# Altium PCB DM3390.PcbDoc (part 2 of 5) (continued)
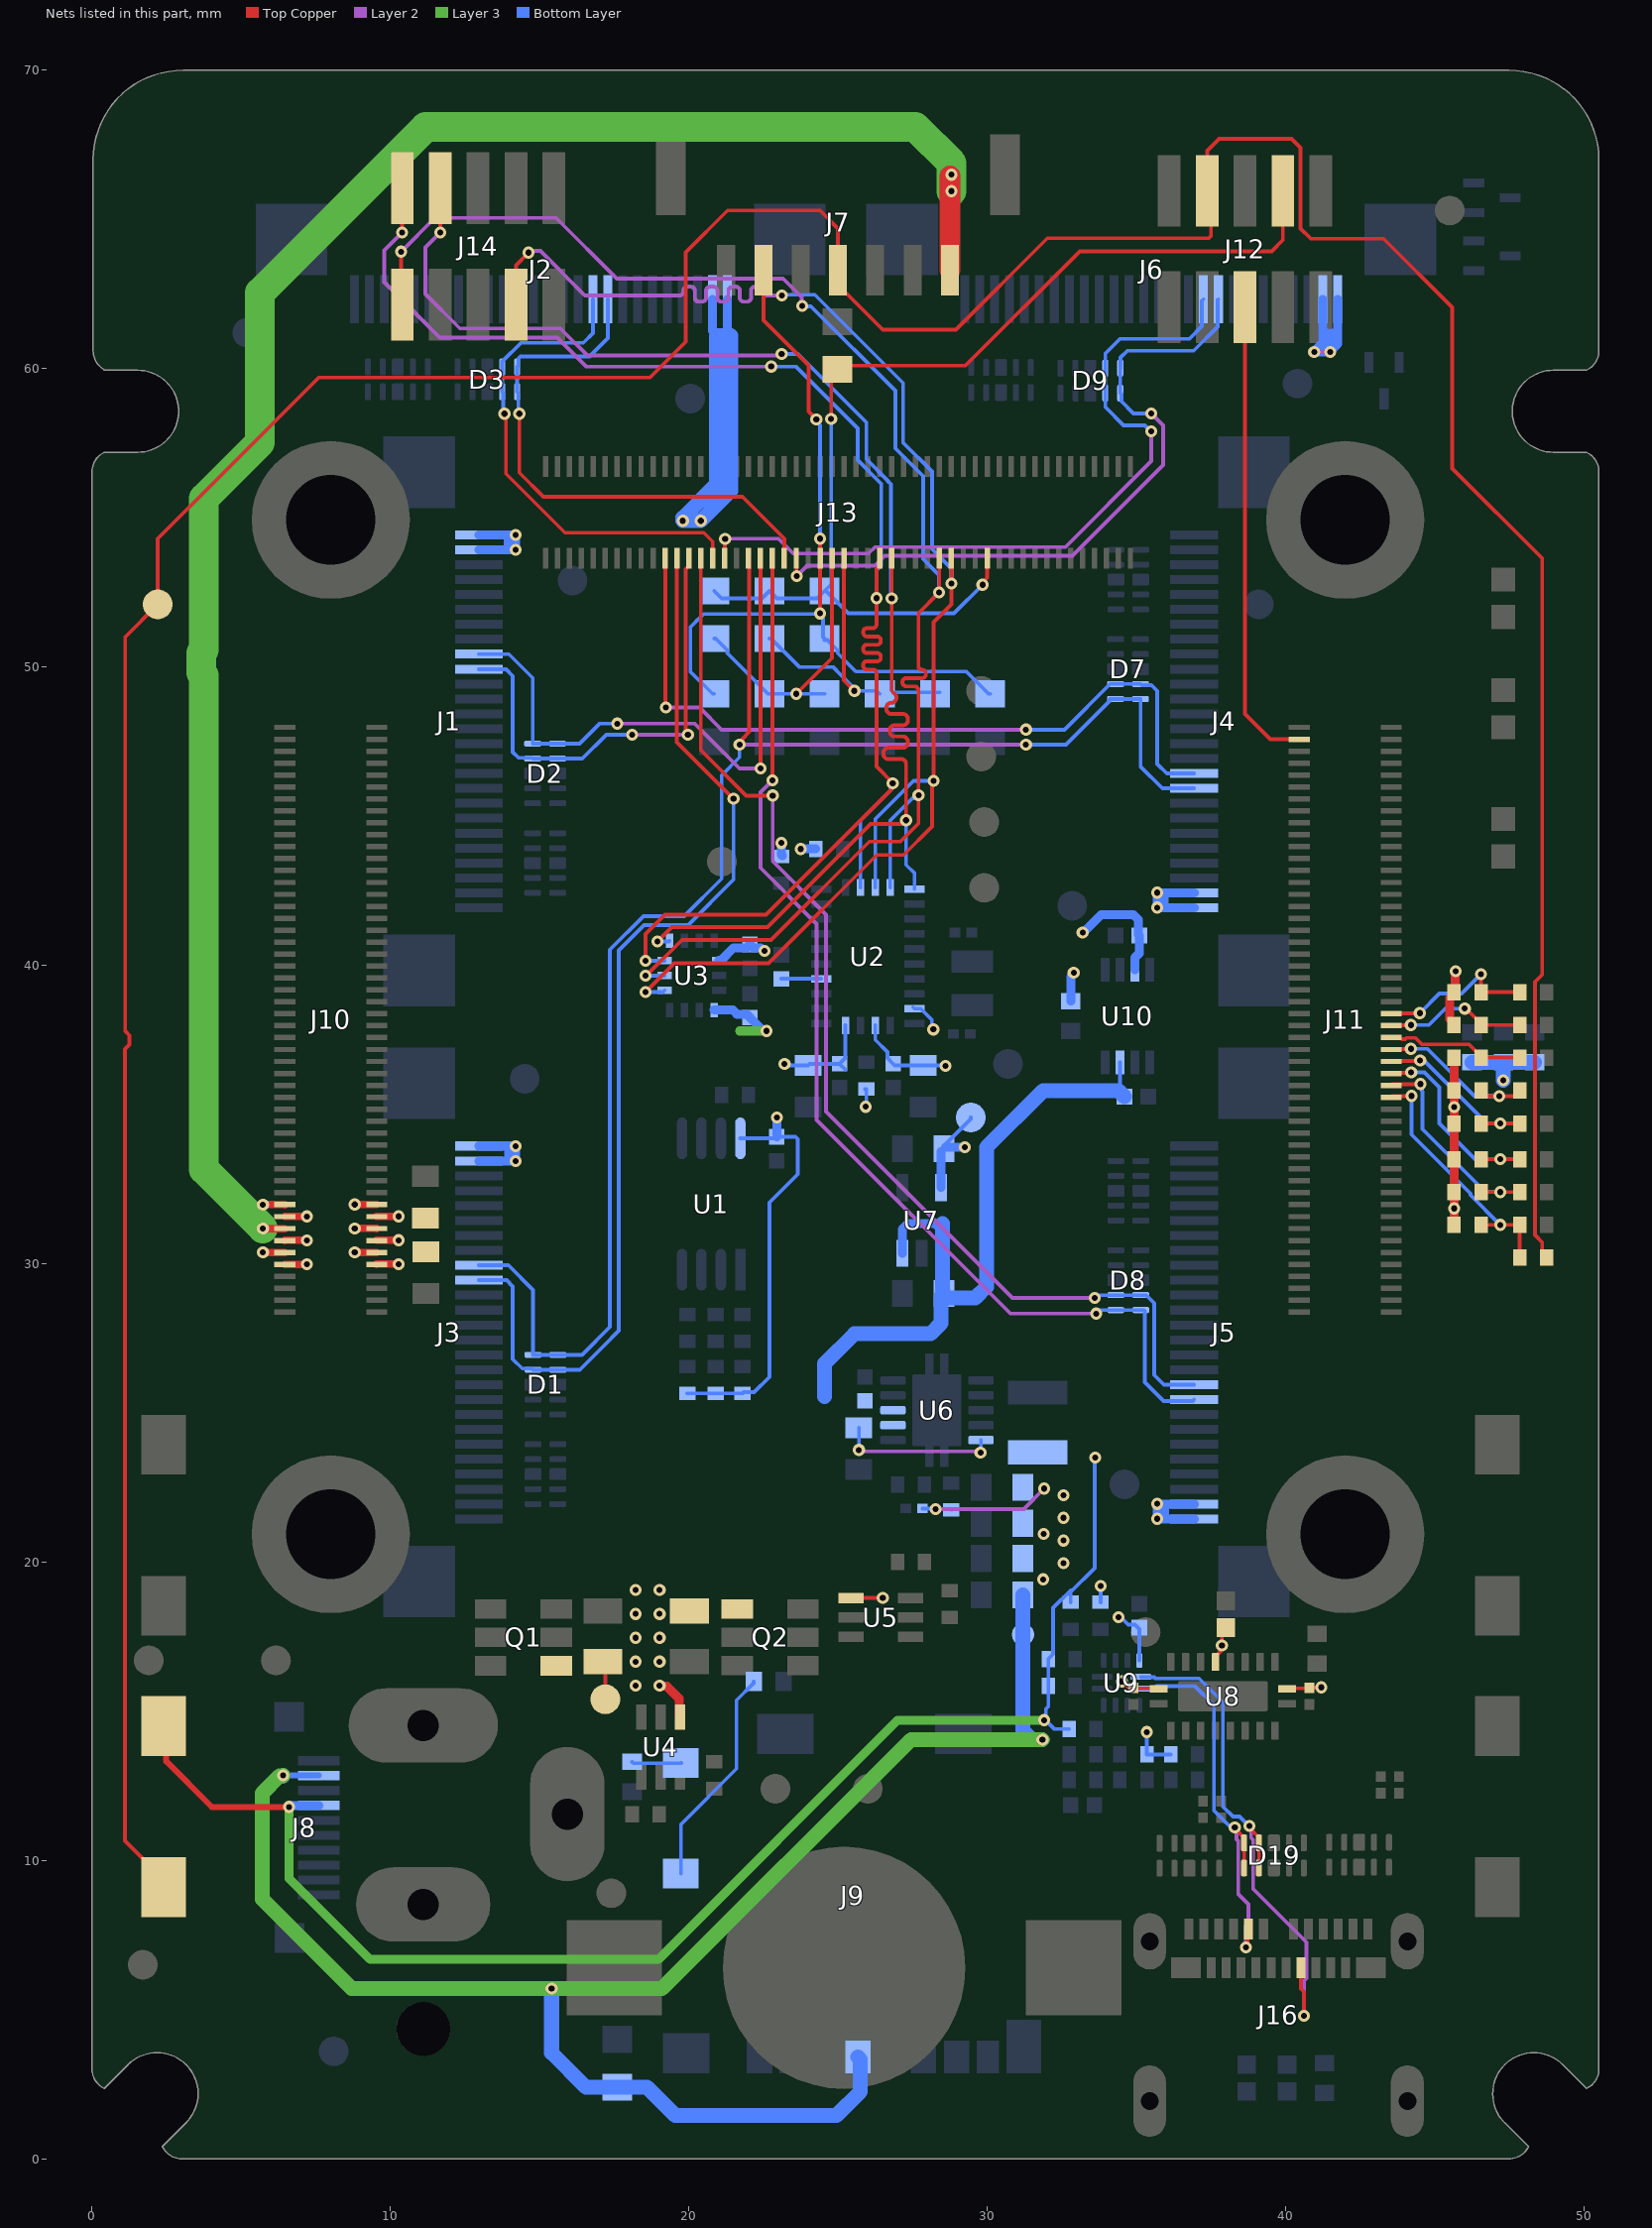
[diagram p6: the nets of this part, all layers, seen from the top]
## Part data (continued)
U9: library part TUSB321RWBR, "IC USB PORT CONTROL TYPE-C 12X2Q", Manufacturer 1="Texas Instruments", Max Operating Temperature=70°C, Max Supply Voltage=5.5V, Min Operating Temperature=0°C, Min Supply Voltage=4.5V, Supplier Part Number 1=296-42400-1-ND, ComponentLink1Description=http://www.ti.com/general/docs/lit/getliterature.tsp?genericPartNumber=TUSB321&&fileType=pdf&src-supplier=Avnet+Asia, ComponentLink1URL=http://www.ti.com/general/docs/lit/getliterature.tsp?genericPartNumber=TUSB321&&fileType=pdf&src-supplier=Avnet+Asia, ComponentLink2Description=http://www.ti.com/general/docs/lit/getliterature.tsp?genericPartNumber=TUSB321&&fileType=pdf&src-supplier=Farnell, ComponentLink2URL=http://www.ti.com/general/docs/lit/getliterature.tsp?genericPartNumber=TUSB321&&fileType=pdf&src-supplier=Farnell, ComponentLink3Description=http://www.ti.com/lit/ds/symlink/tusb321.pdf?src-supplier=Digi-Key, ComponentLink3URL=http://www.ti.com/lit/ds/symlink/tusb321.pdf?src-supplier=Digi-Key, ComponentLink4Description=http://www.ti.com/general/docs/lit/getliterature.tsp?genericPartNumber=TUSB321&&fileType=pdf&src-supplier=Element14, ComponentLink4URL=http://www.ti.com/general/docs/lit/getliterature.tsp?genericPartNumber=TUSB321&&fileType=pdf&src-supplier=Element14, ComponentLink5Description=http://www.ti.com/general/docs/lit/getliterature.tsp?genericPartNumber=TUSB321&&fileType=pdf&src-supplier=Avnet, ComponentLink5URL=http://www.ti.com/general/docs/lit/getliterature.tsp?genericPartNumber=TUSB321&&fileType=pdf&src-supplier=Avnet, Contact Plating=Gold, Lead Free="Lead Free", Manufacturer Part Number 1=TUSB321RWBR, Mount="Surface Mount", Number of Pins=12, Number of Ports=1, Packaging="Tape and Reel", Pricing 1="1=2.27000, 10=2.04200, 100=1.64100, 500=1.34828, 1000=1.11714 (USD)", REACH SVHC="No SVHC", RoHS=Yes, Stock 1=7746, Supplier 1=Digi-Key, USB Standard="USB 3.1"
U10: library part TXS0102DCUR, "TEXAS INSTRUMENTS - TXS0102DCUR - IC, TRANSLATOR, 2 BIT, BI, US-8", Case/Package=VSSOP, High Level Output Current=-20uA, Low Level Output Current=1mA, Manufacturer 1="Texas Instruments", Max Operating Temperature=85°C, Max Supply Voltage=5.5V, Min Operating Temperature=-40°C, Min Supply Voltage=1.65V, Nominal Supply Current=14.4uA, Output Current=1A, Package Quantity=1, Supplier Part Number 1=296-21931-1-ND, Category="Logic Gates", ComponentLink1Description=https://datasheet.ciiva.com/15096/getdatasheetpartid-118249-15096172.pdf?src-supplier=Verical, ComponentLink1URL=https://datasheet.ciiva.com/15096/getdatasheetpartid-118249-15096172.pdf?src-supplier=Verical, ComponentLink2Description=https://datasheet.ciiva.com/22653/1846850-22653373.pdf?src-supplier=Farnell, ComponentLink2URL=https://datasheet.ciiva.com/22653/1846850-22653373.pdf?src-supplier=Farnell, ComponentLink3Description=https://datasheet.ciiva.com/1508/1857232-1508821.pdf?src-supplier=Element14, ComponentLink3URL=https://datasheet.ciiva.com/1508/1857232-1508821.pdf?src-supplier=Element14, ComponentLink4Description=https://datasheet.ciiva.com/1899/txs0102-1899368.pdf?src-supplier=Digi-Key, ComponentLink4URL=https://datasheet.ciiva.com/1899/txs0102-1899368.pdf?src-supplier=Digi-Key, ComponentLink5Description=https://datasheet.ciiva.com/1899/txs0102-1899369.pdf?src-supplier=Digi-Key, ComponentLink5URL=https://datasheet.ciiva.com/1899/txs0102-1899369.pdf?src-supplier=Digi-Key, ComponentLink6Description=https://datasheet.ciiva.com/1899/txs0102-1899370.pdf?src-supplier=Digi-Key, ComponentLink6URL=https://datasheet.ciiva.com/1899/txs0102-1899370.pdf?src-supplier=Digi-Key, ComponentLink7Description=https://datasheet.ciiva.com/14287/txs0102-14287516.pdf?src-supplier=Avnet, ComponentLink7URL=https://datasheet.ciiva.com/14287/txs0102-14287516.pdf?src-supplier=Avnet, ComponentLink8Description=https://datasheet.ciiva.com/28499/1863639-28499676.pdf?src-supplier=Element14, ComponentLink8URL=https://datasheet.ciiva.com/28499/1863639-28499676.pdf?src-supplier=Element14, ComponentLink9Description=https://datasheet.ciiva.com/14287/txs0102-14287518.pdf?src-supplier=Avnet, ComponentLink9URL=https://datasheet.ciiva.com/14287/txs0102-14287518.pdf?src-supplier=Avnet, ComponentLink10Description=https://datasheet.ciiva.com/46395/1863639-46395871.pdf?src-supplier=Element14, ComponentLink10URL=https://datasheet.ciiva.com/46395/1863639-46395871.pdf?src-supplier=Element14, Data Rate=24Mbps, Lead Free="Lead Free", Logic Function=Translator, Manufacturer Part Number 1=TXS0102DCUR, Number of Bits=2, Number of Channels=2, Number of Inputs=2, Number of Pins=8, Output Type=Voltage, Packaging="Tape and Reel", Pricing 1="1=0.75000, 10=0.65900, 25=0.61960, 100=0.50550, 250=0.46956, 500=0.39964, 1000=0.31971 (USD)", Propagation Delay=4.6ns, Quiescent Current=14.4uA, Radiation Hardening=No, REACH SVHC="No SVHC", RoHS=Yes, Stock 1=55123, Supplier 1=Digi-Key, Supplier 2=Newark, Supplier 3=Mouser, Supplier Part Number 2=30M1878, Supplier Part Number 3=595-TXS0102DCUR, Turn-On Delay Time=260ns, Weight=0.000339oz
Y1: "CRYSTAL 32.768kHz ±20ppm Crystal 12.5pF 90 kOhms 2-SMD, No Lead", Case/Package=SMD/SMT, ESR (Equivalent Series Resistance)=90kR, Frequency=32.768kHz, Frequency Tolerance=20ppm, Load Capacitance=12.5pF, Manufacturer 1=Abracon, Max Operating Temperature=85°C, Min Operating Temperature=-40°C, Supplier Part Number 1=535-14513-1-ND, ComponentLink1Description=http://www.farnell.com/datasheets/2614114.pdf?src-supplier=Farnell, ComponentLink1URL=http://www.farnell.com/datasheets/2614114.pdf?src-supplier=Farnell, ComponentLink2Description=https://abracon.com/datasheets/ABS06-127-32.768kHz-T.pdf?src-supplier=Digi-Key, ComponentLink2URL=https://abracon.com/datasheets/ABS06-127-32.768kHz-T.pdf?src-supplier=Digi-Key, ComponentLink3Description=http://www.farnell.com/datasheets/2614114.pdf?src-supplier=Newark, ComponentLink3URL=http://www.farnell.com/datasheets/2614114.pdf?src-supplier=Newark, Manufacturer Part Number 1=ABS06-127-32.768KHZ-T, Mount="Surface Mount", Packaging="Tape and Reel", Pricing 1="1=0.69000, 10=0.60700, 50=0.56760, 100=0.50160, 500=0.47520, 1000=0.39600 (USD)", RoHS=Yes, Stock 1=1640, Supplier 1=Digi-Key, Supplier 2=Digi-Key, Supplier 3=Mouser, Supplier 4=Verical, Supplier Part Number 2=535-14513-6-ND, Supplier Part Number 3=815-ABS0612732.768KT, Supplier Part Number 4=ABS06-127-32.768KHZ-T

## Via types
v1: diameter 0.406, hole 0.203, Top Copper to Bottom Layer, tented both sides, 794 vias
v2: diameter 0.406, hole 0.203, Top Copper to Bottom Layer, 30 vias

## Nets (pads, with @x,y where several pads share a name; then routed paths per layer and width w, separated by ;. In a path a pad name is that pad's centre, name@x,y a point inside that pad or via, vN(x,y) a via of type N, cw(c..) or ccw(c..) an arc to the next point about the centre after c; other vN are vias at no path point)
1V8: B1.1 C2.2 C5.2 C6.2 C11.2 C23.2 C35.2 J8.7 R7.2 R8.2 R9.2 R10.2 R11.2 R12.2 R13.2 R14.2 R27.2 R28.2 R29.2 R34.2 R35.1 R36.1 R49.2 R50.2 R51.2 R52.2 R53.2 TP16.1 U1.8 U2.5 U2.28 U3.5 U7.5 U10.3 | length 87.9
  Top Copper w0.2: B1.1@2.4,14.5 2.483,14.417 2.483,13.317 4.009,11.791 v1(6.6,11.791)
  Top Copper w0.3: R7.2@45.65,31.3 v1(45.65,31.85) R8.2@45.65,32.4 R9.2@45.65,33.5 R10.2@45.65,34.7 R11.2@45.65,35.8 R12.2@45.65,36.9 ; R13.2@45.65,38 45.65,38.05 45.5,38.2 45.5,38.9 45.65,39.05 R14.2@45.65,39.1 45.68,39.13 45.68,39.78 v1(45.7,39.8)
  Layer 3 w0.3: v1(6.6,11.791) 6.6,9.4 9.319,6.681 18.981,6.681 26.999,14.699 v1(31.911,14.699)
  Bottom Layer w0.127: R29.2@19.95,25.65 R28.2@20.9,25.65 R27.2@21.8,25.65 21.841,25.691 22.191,25.691 22.7,26.2 22.7,32.05 23.65,33 23.65,34.176 23.576,34.25 C2.2@22.95,34.25 22.9,34.2 U1.8@21.725,34.2 ; v1(23.207,36.696) 23.253,36.65 C5.2@24,36.65 24.05,36.7 C6.2@25.05,36.7 ; C6.2@25.246,36.503 C6.2@25.05,36.7 ; U2.5@25.25,37.987 25.25,36.9 C6.2@25.05,36.7 ; R34.2@25.9,35.85 R34.2@25.95,35.85 25.95,35.28 v1(25.931,35.261) ; U2.28@27.512,38.6 U2.28@27.562,38.55 27.775,38.55 28.143,38.182 28.143,37.906 v1(28.196,37.853) ; C23.2@28.55,33.85 28.55,33.95 29.45,34.85 TP16.1@29.45,34.9 ; R50.2@32.75,14.4 32.259,14.4 31.96,14.699 v1(31.911,14.699) 31.965,14.752 31.965,15.071 32.05,15.156 R51.2@32.05,15.85 R52.2@32.05,16.75 32.211,16.911 32.211,18.461 32.8,19.05 32.8,19 ; R49.2@32.8,18.65 32.8,19 ; v1(33.618,23.5) 33.6,23.5 33.6,19.8 32.8,19
  Bottom Layer w0.3: v1(6.6,11.791) 6.629,11.791 6.676,11.839 7.592,11.839 J8.7@7.594,11.841 ; U3.5@21.012,40.162 21.075,40.162 21.502,40.59 21.94,40.59 C11.2@22.05,40.7 22.16,40.59 22.398,40.59 22.506,40.482 v1(22.535,40.482) ; C2.2@22.95,34.25 v1(22.95,34.9) ; v1(23.1,44.1) 23.1,43.7 R35.1@23.13,43.67 ; v1(23.75,43.9) R36.1@24.25,43.9 ; U7.5@28.45,32.55 C23.2@28.45,33.75 ; C23.2@28.6,33.9 v1(29.25,33.9) ; R53.2@32.8,38.8 32.8,39.621 32.9,39.721 v1(32.9,39.75) ; v1(33.2,41.1) 33.229,41.1 33.829,41.7 34.892,41.7 35.068,41.524 35.068,41.032 C35.2@35.1,41 35.1,40.406 34.95,40.256 U10.3@34.95,39.85
  other v1: 45.65,35.25
3V3: C1.2 C3.2 C4.2 C10.2 C17.1 C18.1 C19.1 C20.1 C21.2 C30.2 C31.2 C32.2 J1.25 J1.26 J2.25 J2.26 J3.25 J3.26 J4.25 J4.26 J5.25 J5.26 J6.25 J6.26 J8.9 J9.4 L1.2 R38.2 R42.2 TP15.1 U2.3 U3.8 U8.1 U8.6 U8.10 | length 109.9
  Top Copper w0.127: v1(34.51,15.997) 34.726,15.78 C32.2@34.9,15.78 34.915,15.765 35.735,15.765 U8.10@35.75,15.75 ; U8.6@37.65,16.65 37.65,16.825 37.814,16.989 37.814,17.146 v1(37.867,17.199) 37.867,17.667 C30.2@38,17.8 ; U8.1@40.05,15.75 40.065,15.765 40.785,15.765 40.81,15.79 41.19,15.79 v1(41.2,15.8)
  Layer 2 w0.127: v2(28.273,21.774) 31.223,21.774 v2(31.909,22.46) ; v1(40.96,60.555) v1(41.5,60.555)
  Layer 3 w0.3: 21.7,37.8 v1(22.6,37.8)
  Layer 3 w0.5: v1(6.4,12.85) 6.383,12.833 6.28,12.833 5.7,12.253 5.7,8.7 8.7,5.7 v1(15.4,5.7) 19.1,5.7 27.45,14.05 v1(31.85,14.05)
  Bottom Layer w0.127: U2.3@26.25,37.987 26.25,37.5 26.653,37.096 26.653,36.896 C4.2@26.85,36.7 26.9,36.65 C3.2@27.85,36.65 28.581,36.65 v1(28.606,36.625) ; C21.2@27.83,21.8 27.843,21.787 28.26,21.787 v2(28.273,21.774) 28.776,21.774 R38.2@28.8,21.75 ; R42.2@33.8,18.65 v1(33.8,19.2)
  Bottom Layer w0.2: v1@6.408,12.841 J8.9@7.594,12.841
  Bottom Layer w0.3: J3.25@12.96,33.445 13.962,33.445 ; J3.26@12.96,33.945 13.961,33.945 ; J1.25@12.96,53.93 13.951,53.93 ; J1.26@12.96,54.43 13.972,54.43 ; J2.25@20.787,62.325 20.787,61.269 20.956,61.1 ; U3.8@20.85,38.5 21.475,38.5 21.615,38.36 21.94,38.36 C10.2@22.05,38.25 22.48,37.82 22.58,37.82 v1(22.6,37.8) ; J2.26@21.287,62.325 21.287,61.213 21.4,61.1 ; J5.26@36.936,21.445 35.939,21.445 ; J5.25@36.936,21.945 35.942,21.945 ; J4.26@36.936,41.93 35.925,41.93 ; J4.25@36.936,42.43 35.937,42.43 ; J6.25@41.25,62.325 41.25,61.187 ; J6.26@41.75,62.325 41.75,61.195 ; 13.951,53.93 14.191,53.93 v1(14.197,53.925) v1(14.197,54.425) 14.191,54.43 13.972,54.43 ; 13.951,53.93 13.951,54.409 13.972,54.43 ; 13.961,33.945 14.191,33.945 v1(14.197,33.94) v1(14.197,33.44) 14.191,33.445 13.962,33.445 ; 13.961,33.945 13.961,33.446 13.962,33.445 ; 35.925,41.93 35.705,41.93 v1(35.7,41.935) v1(35.7,42.435) 35.705,42.43 35.937,42.43 ; 35.925,41.93 35.937,41.941 35.937,42.43 ; 35.939,21.445 35.705,21.445 v1(35.7,21.45) v1(35.7,21.95) 35.705,21.945 35.942,21.945 ; 35.939,21.445 35.939,21.942 35.942,21.945 ; 41.211,60.555 41.496,60.839 41.496,61.187 ; 41.211,60.555 v1(41.5,60.555) 41.5,60.583 41.75,60.833 41.75,61.195 ; 41.211,60.555 v1(40.96,60.555) 40.96,60.583 41.25,60.873 41.25,61.187 ; 41.25,61.187 41.496,61.187 ; 41.496,61.187 41.742,61.187 41.75,61.195
  Bottom Layer w0.5: v1(6.4,12.85) v1@6.408,12.841 ; v1(15.4,5.7) 15.4,3.55 16.55,2.4 C1.2@17.6,2.4 18.6,2.4 19.55,1.45 24.95,1.45 25.75,2.25 25.75,3.329 J9.4@25.67,3.409 ; C20.1@31.2,18.9 TP15.1@31.2,17.573 31.2,14.343 31.493,14.05 v1(31.85,14.05) ; 20.928,55.428 21.4,55.9 21.4,61.1 20.956,61.1 20.928,61.072 20.928,56.128 ; 20.928,55.428 v1(20.4,54.9) v1(19.8,54.9) 19.8,55 20.928,56.128 ; 20.928,55.428 20.928,56.128
  other v2: 31.873,19.419 32.556,19.96 32.556,20.721 31.891,20.94 32.556,21.481 32.556,22.242
5V: C12.2 C13.2 C15.1 C16.1 C22.2 C34.2 C36.2 J7.1 J10.9 J10.10 J10.11 J10.12 J10.13 J10.14 J10.15 J10.16 J10.17 J10.18 J10.19 J10.20 Q1.4 Q2.4 R24.2 R25.2 R26.2 R37.2 R43.2 R44.2 R56.2 TP13.1 U4.4 U5.4 U6.2 U6.3 U6.10 U7.1 U7.3 U9.12 U10.7 | length 112.1
  Top Copper w0.127: R37.2@17.117,16.662 17.2,16.3 TP13.1@17.2,15.4 ; U5.4@25.432,18.792 25.436,18.796 26.496,18.796 v1(26.5,18.8)
  Top Copper w0.25: v1(5.726,30.38) 5.729,30.378 J10.11@6.46,30.378 J10.11@6.462,30.375 ; v1(5.726,31.18) 5.729,31.178 J10.15@6.46,31.178 J10.15@6.462,31.175 ; v1(5.726,31.98) 5.729,31.978 J10.19@6.46,31.978 J10.19@6.462,31.975 ; J10.9@6.46,29.978 6.462,29.98 7.193,29.98 v1(7.196,29.982) ; J10.13@6.46,30.778 6.462,30.78 7.193,30.78 v1(7.196,30.782) ; J10.17@6.46,31.578 6.462,31.58 7.193,31.58 v1(7.196,31.582) ; v1(8.804,30.382) 8.806,30.38 9.537,30.38 J10.12@9.54,30.378 ; v1(8.804,31.182) 8.806,31.18 9.537,31.18 J10.16@9.54,31.178 ; v1(8.804,31.982) 8.806,31.98 9.537,31.98 J10.20@9.54,31.978 ; J10.10@9.537,29.98 9.54,29.983 10.271,29.983 v1(10.273,29.985) ; J10.14@9.537,30.78 9.54,30.782 10.271,30.782 v1(10.273,30.785) ; J10.18@9.537,31.58 9.54,31.582 10.271,31.582 v1(10.273,31.585)
  Top Copper w0.3: v1(19.02,15.861) 19.04,15.84 19.26,15.84 19.675,15.425 19.675,14.825 U4.4@19.7,14.8
  Top Copper w0.5: v1(28.8,65.95) v1(28.8,66.5)
  Top Copper w0.7: J7.1@28.75,63.3 v1@28.75,66.45
  Layer 2 w0.127: v1(25.7,23.755) 25.746,23.709 29.73,23.709 v2(29.776,23.663)
  Layer 3 w1: v1(5.726,31.18) 3.748,33.159 3.748,49.714 3.655,49.807 3.655,50.474 3.748,50.567 3.748,55.648 5.623,57.523 5.623,62.545 11.178,68.1 27.595,68.1 28.805,66.89 28.805,65.955 v1(28.8,65.95)
  Bottom Layer w0.127: v1(25.7,23.755) C16.1@25.7,24.5 ; v2(29.776,23.663) 29.791,23.678 U6.10@29.791,24.087 ; v1(34.4,18.15) 34.476,18.15 34.724,17.902 34.948,17.902 35.101,17.749 U9.12@35.1,16.7 ; C36.2@34.45,35.74 34.45,35.75 U10.7@34.45,36.75 ; v1(35.35,14.3) R44.2@35.35,13.55 R43.2@36.15,13.55
  Bottom Layer w0.3: U7.3@27.15,30.35 27.15,31.15 27.35,31.35 28.25,31.35 28.45,31.15 ; U7.1@28.45,30.1 U7.1@28.45,30.35
  Bottom Layer w0.5: 24.55,25.55 24.55,26.65 25.55,27.65 28.1,27.65 28.45,28 28.45,28.9 C22.2@28.55,29 ; C22.2@28.5,28.95 28.5,31.35 ; C22.2@28.55,28.95 28.65,28.85 29.604,28.85 29.977,29.223 29.977,33.901 31.876,35.8 34.4,35.8 34.45,35.75 C36.2@34.6,35.6 ; R24.2@46.25,36.75 R25.2@47.3,36.75 ; v1(47.3,36.15) R25.2@47.3,36.75 ; R26.2@48.35,36.75 R25.2@47.3,36.75
  other v1: 18.22,15.861 18.22,16.661 19.02,16.661 18.22,17.461 19.02,17.461 18.22,18.261 19.02,18.261 18.22,19.061 19.02,19.061
BNO08x_CIPO_1V8: J13.60 J14.4 U2.20 U3.1 | length 51.6
  Top Copper w0.127: J14.4@11.667,66.047 11.674,66.041 v1(11.674,64.564) ; v1(18.95,40.8) 19.434,41.284 22.634,41.284 26.093,44.743 27.282,44.743 v1@27.4,44.861 ; J13.60@26.8,53.638 v1(26.8,52.3) 26.8,49.212 26.8,49.2 26.909,49.091 cw(c26.789,48.971) 26.789,48.801 ccw(c26.789,48.631) 26.62,48.631 26.62,48.594 ccw(c26.789,48.594) 26.789,48.424 27.173,48.424 cw(c27.173,48.254) 27.343,48.254 27.343,48.217 cw(c27.173,48.217) 27.173,48.047 26.9,48.047 ccw(c26.9,47.877) 26.731,47.877 26.731,47.84 ccw(c26.9,47.84) 26.9,47.67 27.173,47.67 cw(c27.173,47.5) 27.343,47.5 27.343,47.463 cw(c27.173,47.463) 27.173,47.293 26.688,47.293 ccw(c26.688,47.123) 26.519,47.123 26.519,47.086 ccw(c26.688,47.086) 26.688,46.916 27.112,46.916 cw(c27.112,46.746) 27.282,46.746 27.282,46.683 27.282,44.979 v1@27.4,44.861 ; v1(27.282,44.861) v1@27.4,44.861
  Layer 2 w0.127: v1(11.674,64.564) 11.17,64.061 11.17,62.506 12.327,61.349 15.691,61.349 16.599,60.441 23.061,60.441 v1(23.11,60.49)
  Bottom Layer w0.127: v1(18.95,40.8) 19.325,40.8 U3.1@19.35,40.825 ; v1(23.11,60.49) 23.66,60.49 25.95,58.2 25.95,56.966 26.679,56.237 26.679,56.221 26.771,56.129 26.771,52.329 v1(26.8,52.3) ; v1(27.282,44.861) 27.282,43.368 27.562,43.087 U2.20@27.562,42.55
BNO08x_COPI_1V8: J13.58 J14.2 U2.17 U3.14 | length 54.1
  Top Copper w0.127: J14.2@10.383,66.367 10.383,66.047 10.39,66.041 v1(10.39,64.564) ; v1(18.55,40.15) 18.55,41.05 19.2,41.7 22.589,41.7 26.778,45.889 26.778,46.047 v1(26.832,46.1) ; J13.58@26.4,53.638 26.4,53.378 26.373,53.351 26.364,53.351 26.29,53.277 v1(26.29,52.305) 26.29,51.884 26.29,51.427 cw(c26.163,51.427) 26.163,51.3 25.969,51.3 ccw(c25.969,51.175) 25.845,51.175 25.845,51.148 ccw(c25.969,51.148) 25.969,51.023 26.312,51.023 cw(c26.312,50.898) 26.436,50.898 26.436,50.871 cw(c26.312,50.871) 26.312,50.746 25.969,50.746 ccw(c25.969,50.621) 25.845,50.621 25.845,50.594 ccw(c25.969,50.594) 25.969,50.469 26.312,50.469 cw(c26.312,50.344) 26.436,50.344 26.436,50.317 cw(c26.312,50.317) 26.312,50.192 25.969,50.192 ccw(c25.969,50.067) 25.845,50.067 25.845,50.04 ccw(c25.969,50.04) 25.969,49.915 26.163,49.915 cw(c26.163,49.788) 26.29,49.788 26.29,49.724 26.29,46.66 v1@26.85,46.1
  Layer 2 w0.127: v1(10.39,64.564) 9.79,63.964 9.79,62.9 11.654,61.036 15.594,61.036 16.56,60.07 v1(22.76,60.07)
  Bottom Layer w0.127: v1(18.55,40.15) 18.556,40.156 19.181,40.156 U3.14@19.187,40.162 ; v1(22.76,60.07) 23.59,60.07 25.656,58.003 25.656,56.937 26.45,56.143 26.45,53.4 26.29,53.24 v1(26.29,52.305) ; U2.17@25.75,42.612 25.75,44.85 26.778,45.878 26.778,46.047 v1(26.832,46.1)
BNO08x_CS_1V8: J13.70 J14.7 U2.18 U3.12 | length 53
  Top Copper w0.127: J14.7@14.207,62.147 14.207,63.467 v1(14.63,63.89) ; v1(18.55,39.1) 19.518,40.068 22.668,40.068 26.3,43.7 27.2,43.7 28.15,44.65 28.15,46.132 v1(28.2,46.182) ; v1@28.2,46.2 28.2,51.5 28.8,52.1 v1(28.8,52.8) J13.70@28.8,53.638
  Layer 2 w0.127: v1(14.63,63.89) 14.683,63.943 15.026,63.943 16.514,62.456 19.628,62.456 19.691,62.456 ccw(c19.691,62.588) 19.823,62.588 19.823,62.614 cw(c19.955,62.614) 19.955,62.746 20.068,62.746 cw(c20.068,62.614) 20.2,62.614 20.2,62.377 ccw(c20.332,62.377) 20.332,62.245 20.445,62.245 ccw(c20.445,62.377) 20.577,62.377 20.577,62.614 cw(c20.709,62.614) 20.709,62.746 20.822,62.746 cw(c20.822,62.614) 20.954,62.614 20.954,62.377 ccw(c21.086,62.377) 21.086,62.245 21.199,62.245 ccw(c21.199,62.377) 21.331,62.377 21.331,62.614 cw(c21.463,62.614) 21.463,62.746 21.576,62.746 cw(c21.576,62.614) 21.708,62.614 21.708,62.377 ccw(c21.84,62.377) 21.84,62.245 21.953,62.245 ccw(c21.953,62.377) 22.085,62.377 22.085,62.614 cw(c22.217,62.614) 22.217,62.746 22.33,62.746 cw(c22.33,62.614) 22.462,62.614 22.462,62.588 ccw(c22.594,62.588) 22.594,62.456 23.006,62.456 v1(23.116,62.456)
  Bottom Layer w0.127: v1(18.55,39.1) 18.939,39.1 18.94,39.101 19.126,39.101 U3.12@19.187,39.162 ; v1(23.116,62.456) 23.134,62.475 24.225,62.475 27.182,59.518 27.182,57.518 28.15,56.55 28.15,53.95 28.8,53.3 v1(28.8,52.8) ; U2.18@26.25,42.612 26.25,44.9 27.532,46.182 v1(28.2,46.182)
BNO08x_SCK_1V8: J13.68 J14.1 U2.19 U3.13 | length 54.6
  Top Copper w0.127: v1(10.356,63.919) 10.356,62.189 J14.1@10.397,62.147 ; v1(18.55,39.65) 18.571,39.65 19.771,40.85 22.75,40.85 26.05,44.15 27.092,44.15 27.695,44.754 27.695,49.16 27.695,49.224 ccw(c27.568,49.224) 27.568,49.351 27.286,49.351 cw(c27.286,49.476) 27.161,49.476 27.161,49.503 cw(c27.286,49.503) 27.286,49.628 27.822,49.628 ccw(c27.822,49.753) 27.947,49.753 27.947,49.78 ccw(c27.822,49.78) 27.822,49.905 cw(c27.822,50.032) 27.695,50.032 27.695,51.804 v1(28.391,52.5) ; v1@28.395,52.505 28.395,53.633 J13.68@28.4,53.638
  Layer 2 w0.127: v1(10.356,63.919) 10.359,63.919 11.49,65.05 15.55,65.05 17.58,63.02 23.159,63.02 23.787,62.392 23.787,62.123 v1(23.803,62.106)
  Bottom Layer w0.127: v1(18.55,39.65) 18.556,39.656 19.181,39.656 U3.13@19.187,39.662 ; v1(23.803,62.106) 23.82,62.09 24.089,62.09 26.92,59.259 26.92,57.327 27.434,56.812 27.85,56.397 27.85,53.621 28.391,53.08 v1(28.391,52.5) ; U2.19@26.75,42.612 26.75,44.85 27.499,45.599 27.523,45.599 27.624,45.7 v1(27.7,45.7)
BOOT0: J11.52 R14.1 R23.1 | length 5.5
  Top Copper w0.127: J11.52@43.54,38.377 43.551,38.389 44.489,38.389 v1(44.5,38.4) ; v1(46.55,39.7) R14.1@46.55,39.1 R23.1@47.85,39.1
  Bottom Layer w0.127: v1(44.5,38.4) 45.15,39.05 45.9,39.05 v1(46.55,39.7)
BOOT1: J11.50 R13.1 R22.1 | length 4.8
  Top Copper w0.127: J11.50@43.54,37.977 43.551,37.989 44.189,37.989 v1(44.2,38) ; v1(46.006,38.55) 46.05,38.55 46.55,38.05 R13.1@46.55,38 R22.1@47.85,38
  Bottom Layer w0.127: v1(44.2,38) 44.8,38 45.35,38.55 v1(46.006,38.55)
BOOT2: J11.48 R12.1 R21.1 | length 4.7
  Top Copper w0.127: J11.48@43.54,37.577 43.566,37.551 43.876,37.551 43.901,37.527 44.006,37.527 44.047,37.568 44.353,37.568 44.571,37.35 46.15,37.35 46.55,36.95 R12.1@46.55,36.9 R21.1@47.85,36.9
BOOT3: J11.46 R11.1 R20.1 | length 5.8
  Top Copper w0.127: J11.46@43.54,37.177 43.551,37.189 44.189,37.189 v1(44.2,37.2) ; R11.1@46.55,35.8 46.55,35.774 46.711,35.612 47.114,35.612 47.138,35.588 v1(47.162,35.612) 47.688,35.612 47.85,35.774 R20.1@47.85,35.8
  Bottom Layer w0.127: v1(44.2,37.2) 44.75,37.2 46.337,35.612 v1(47.162,35.612)
BOOT4: J11.44 R10.1 R19.1 | length 5.8
  Top Copper w0.127: J11.44@43.551,36.789 43.562,36.8 44.5,36.8 v1(44.511,36.811) ; R10.1@46.55,34.7 v1(47.2,34.7) R19.1@47.85,34.7
  Bottom Layer w0.127: v1(44.511,36.811) 44.565,36.758 44.692,36.758 46.75,34.7 v1(47.2,34.7)
BOOT5: J11.42 R9.1 R18.1 | length 6.9
  Top Copper w0.127: J11.42@43.551,36.389 43.562,36.4 44.2,36.4 v1(44.211,36.411) ; R9.1@46.55,33.5 v1(47.2,33.5) R18.1@47.85,33.5
  Bottom Layer w0.127: v1(44.211,36.411) 44.655,36.411 45.15,35.916 45.15,34.7 46.35,33.5 v1(47.2,33.5)
BOOT6: J11.40 R8.1 R17.1 | length 7.3
  Top Copper w0.127: J11.40@43.562,36 43.574,36.011 44.511,36.011 v1(44.523,36.023) ; R8.1@46.55,32.4 v1(47.2,32.4) R17.1@47.85,32.4
  Bottom Layer w0.127: v1(44.523,36.023) 44.576,35.969 44.576,35.79 44.591,35.775 44.591,34.509 46.7,32.4 v1(47.2,32.4)
BOOT7: J11.38 R7.1 R15.1 R16.1 | length 8.7
  Top Copper w0.127: J11.38@43.54,35.577 J11.38@43.566,35.551 ; J11.38@43.562,35.6 43.574,35.611 44.211,35.611 v1(44.223,35.623) ; R7.1@46.55,31.35 R7.1@46.55,31.3 v1(47.2,31.3) R16.1@47.85,31.3 R15.1@47.85,30.2
  Bottom Layer w0.127: v1(44.223,35.623) 44.223,34.327 46.2,32.35 46.2,32.3 v1(47.2,31.3)
BOOT_SEL: B1.2 J7.4 J12.7 R15.2 TP7.1 | length 140.8
  Top Copper w0.127: B1.2@2.4,9.1 2.4,9.35 1.1,10.65 1.1,37.196 1.251,37.347 1.251,37.653 1.112,37.792 1.112,51.012 TP7.1@2.2,52.1 2.2,54.3 7.6,59.7 18.7,59.7 19.9,60.9 19.9,63.9 21.3,65.3 24.4,65.3 25,64.7 J7.4@25,63.3 25,62.75 25.237,62.513 25.287,62.513 26.5,61.3 28.95,61.3 32.019,64.369 37.426,64.369 37.5,64.444 37.5,65.831 J12.7@37.372,65.959 37.372,67.299 37.773,67.7 40.2,67.7 40.5,67.4 40.5,64.7 40.845,64.355 43.285,64.355 45.59,62.051 45.59,56.65 48.6,53.64 48.6,39.683 48.36,39.443 48.36,30.957 48.6,30.717 48.6,30.35 R15.2@48.75,30.2 R15.2@48.588,30.038
CAM_A_CLK: D2.1 D2.10 J1.18 J13.38 | length 19.9
  Top Copper w0.127: v1(22.4,46.6) J13.38@22.4,53.638
  Layer 2 w0.127: v1(17.6,48.1) 20.2,48.1 21.7,46.6 v1(22.4,46.6)
  Bottom Layer w0.127: J1.18@12.96,50.43 13.97,50.43 14.767,49.633 D2.10@14.767,47.43 D2.1@15.602,47.43 16.337,47.43 17.008,48.1 v1(17.6,48.1)
CAM_A_PWR: D2.2 D2.9 J1.17 J13.26 | length 16.1
  Top Copper w0.127: v1(19.968,47.732) 19.968,47.807 19.9,47.875 19.9,53.278 20,53.378 J13.26@20,53.638
  Layer 2 w0.127: v1(18.1,47.732) v1(19.968,47.732)
  Bottom Layer w0.127: J1.17@12.96,49.93 12.966,49.924 13.876,49.924 14.1,49.7 14.1,47.15 14.294,46.956 14.74,46.956 D2.9@14.767,46.93 D2.2@15.602,46.93 16.43,46.93 17.232,47.732 v1(18.1,47.732)
CAM_D_CLK: D8.1 D8.10 J5.18 J13.40 | length 37.8
  Top Copper w0.127: v1(22.8,46.2) J13.40@22.8,53.638
  Layer 2 w0.127: v1(22.8,46.2) 22.4,45.8 22.4,43.266 24.285,41.381 24.285,34.815 30.774,28.326 v1(33.654,28.326)
  Bottom Layer w0.127: v1(33.654,28.326) 33.772,28.445 D8.1@34.313,28.445 D8.10@35.148,28.445 35.248,28.445 35.285,28.408 35.285,26.027 35.912,25.4 36.892,25.4 J5.18@36.936,25.445
CAM_D_PWR: D8.2 D8.9 J5.17 J13.28 | length 38.4
  Top Copper w0.127: J13.28@20.4,53.638 20.4,47.21 21.921,45.69 v1(22.81,45.69)
  Layer 2 w0.127: v1(22.81,45.69) 22.81,43.49 24.6,41.7 24.6,35.1 30.85,28.85 v1(33.6,28.85)
  Bottom Layer w0.127: v1(33.6,28.85) 33.676,28.85 33.77,28.945 D8.2@34.313,28.945 D8.9@35.148,28.945 35.331,28.945 35.526,28.75 35.6,28.676 35.6,26.269 35.924,25.945 J5.17@36.936,25.945
CAM_E_CLK: D3.1 D3.10 J2.18 J13.42 | length 18.9
  Top Copper w0.127: v1(14.32,58.49) 14.32,56.509 15.129,55.7 21.8,55.7 23.2,54.3 J13.42@23.2,53.638
  Bottom Layer w0.127: v1(14.32,58.49) 14.284,58.526 14.284,59.186 D3.1@14.248,59.222 D3.10@14.248,60.057 14.284,60.093 14.284,60.336 14.359,60.41 16.67,60.41 17.287,61.027 J2.18@17.287,62.325
CAM_E_PWR: D3.2 D3.9 J2.17 J13.30 | length 16.8
  Top Copper w0.127: v1(13.82,58.49) 13.87,58.44 13.87,56.48 15.85,54.5 20.5,54.5 20.8,54.2 J13.30@20.8,53.638
  Bottom Layer w0.127: v1(13.82,58.49) 13.784,58.526 13.784,59.186 D3.2@13.748,59.222 D3.9@13.748,60.057 13.748,60.239 14.372,60.864 16.464,60.864 16.787,61.187 J2.17@16.787,62.325
CAM_F_CLK: D9.1 D9.10 J6.18 J13.44 | length 23.6
  Top Copper w0.127: J13.44@23.6,53.638 23.607,53.63 23.607,53.055 v1(23.614,53.048)
  Layer 2 w0.127: v1(23.614,53.048) 23.967,53.4 26.242,53.4 26.565,53.723 32.857,53.723 35.9,56.766 35.9,58.1 v1(35.5,58.5)
  Bottom Layer w0.127: v1(35.5,58.5) 34.9,58.5 34.497,58.903 34.497,59.144 D9.1@34.46,59.181 D9.10@34.46,60.016 34.472,60.028 34.472,60.372 34.7,60.6 36.918,60.6 37.727,61.409 37.727,62.302 J6.18@37.75,62.325
CAM_F_PWR: D9.2 D9.9 J6.17 J13.32 | length 25.7
  Top Copper w0.127: J13.32@21.2,53.638 21.208,53.645 21.208,54.287 v1(21.215,54.295)
  Layer 2 w0.127: v1(21.215,54.295) 21.22,54.3 23,54.3 23.5,53.8 26.019,53.8 26.238,54.019 32.619,54.019 35.5,56.9 v1(35.5,57.9)
  Bottom Layer w0.127: v1(35.5,57.9) 35.482,57.9 35.282,58.1 34.571,58.1 33.96,58.711 D9.2@33.96,59.181 D9.9@33.96,60.016 33.96,60.51 34.45,61 36.775,61 37.192,61.417 37.192,62.267 J6.17@37.25,62.325
CAM_FS_A/D: J13.50 R2.2 R59.1 R63.1 | length 9.6
  Top Copper w0.127: v1(23.6,49.1) 23.605,49.1 24.8,50.295 J13.50@24.8,53.638
  Bottom Layer w0.127: R2.2@20.85,50.95 20.9,50.95 21.286,50.563 21.286,50.463 22.65,49.1 R59.1@22.7,49.1 R63.1@24.55,49.1
CAM_FS_ALL: J12.3 J13.76 R1.1 R2.1 R3.1 R4.1 | length 37.4
  Top Copper w0.127: v1(24.77,58.31) 24.77,59.76 R3.1@24.98,59.97 ; R3.1@24.98,60.1 29.267,60.1 33.101,63.934 39.534,63.934 39.912,64.312 J12.3@39.912,65.959 J12.3@39.596,66.276 ; v1(29.844,52.756) 29.844,52.832 30,52.988 J13.76@30,53.638
  Bottom Layer w0.127: R2.1@20.85,52.55 21.1,52.3 22.45,52.3 R4.1@22.7,52.55 22.95,52.3 24.3,52.3 24.575,52.575 24.77,52.77 v1(24.77,58.31) ; R1.1@24.6,52.55 25.35,51.8 28.888,51.8 v1(29.844,52.756)
CAM_FS_E/F: J13.52 R4.2 R60.1 R64.1 | length 10.6
  Top Copper w0.127: J13.52@25.2,53.638 25.2,49.55 v1(25.55,49.2)
  Bottom Layer w0.127: R4.2@22.7,50.95 22.75,50.95 23.7,50 24.826,50 25.11,49.715 25.118,49.715 25.215,49.618 25.215,49.61 25.55,49.276 v1(25.55,49.2) 26.3,49.2 R60.1@26.4,49.1 ; R60.1@26.85,49.15 R64.1@28.4,49.15
CAM_FS_ST: J7.6 J13.48 R1.2 R61.1 R62.1 | length 26.7
  Top Copper w0.127: J7.6@22.5,63.3 22.5,61.621 24.015,60.106 24.015,58.559 v1(24.274,58.3) ; v1(24.4,51.795) J13.48@24.4,53.638 v1(24.4,54.3)
  Bottom Layer w0.127: R61.1@20.85,49.1 20.8,49.1 20.05,49.85 20.05,51.328 20.185,51.463 20.185,51.468 20.282,51.565 20.287,51.565 20.495,51.773 24.378,51.773 v1(24.4,51.795) ; v1(24.274,58.3) 24.274,58.224 24.4,58.098 v1(24.4,54.3) ; v1@24.4,51.8 v1(24.4,51.795) ; R1.2@24.55,50.9 24.65,50.9 24.986,50.563 24.986,50.463 25.6,49.85 29.3,49.85 30.05,49.1 R62.1@30.1,49.1 ; R1.2@24.55,50.95 24.5,51 24.5,51.62 24.4,51.72 v1(24.4,51.795)
CAM_L_PWR: D1.2 D1.9 J3.17 J13.24 | length 37
  Top Copper w0.127: J13.24@19.6,53.638 19.6,47.479 21.496,45.583 v1(21.5,45.583)
  Bottom Layer w0.127: J3.17@12.96,29.445 13.895,29.445 14.1,29.24 14.1,26.8 14.419,26.481 14.741,26.481 D1.9@14.778,26.445 D1.2@15.613,26.445 16.345,26.445 17.15,27.25 17.65,27.75 17.65,40.5 18.5,41.35 19.974,41.35 21.5,42.876 v1(21.5,45.583)
CAM_R_PWR: D7.2 D7.9 J4.17 J13.22 | length 26.3
  Top Copper w0.127: J13.22@19.2,53.638 19.216,53.622 19.216,48.655 v1(19.231,48.639)
  Layer 2 w0.127: v1(19.231,48.639) 20.361,48.639 21.1,47.9 v1(31.3,47.9)
  Bottom Layer w0.127: v1(31.3,47.9) 32.591,47.9 34.121,49.43 D7.2@34.304,49.43 D7.9@35.139,49.43 35.175,49.393 35.507,49.393 35.7,49.2 35.7,46.75 36.02,46.43 J4.17@36.936,46.43
CAM_ST_CLK: D1.1 D1.10 D7.1 D7.10 J3.18 J4.18 J13.36 | length 54.3
  Top Copper w0.127: v1(21.7,47.4) 21.7,47.476 21.801,47.577 21.801,47.601 22.023,47.823 22.023,53.614 J13.36@22,53.638
  Layer 2 w0.127: v1(21.7,47.4) v1(31.3,47.4)
  Bottom Layer w0.127: J3.18@12.96,29.945 13.955,29.945 14.778,29.122 D1.10@14.778,26.945 D1.1@15.613,26.945 16.416,26.945 17.35,27.879 17.35,40.523 18.477,41.65 19.85,41.65 21.1,42.9 21.1,46.371 21.7,46.971 v1(21.7,47.4) ; v1(31.3,47.4) 32.641,47.4 34.085,48.843 34.085,48.893 34.121,48.93 D7.1@34.304,48.93 D7.10@35.139,48.93 35.139,46.661 35.87,45.93 J4.18@36.936,45.93
CAP: C7.1 U2.9 | length 1.3
  Bottom Layer w0.127: C7.1@23.1,39.55 U2.9@24.437,39.55
CC1: D19.5 D19.6 J16.A5 U9.2 | length 13.6
  Top Copper w0.127: v1(38.3,11.1) 38.3,11.076 38.611,10.764 D19.6@38.611,9.747 ; v1(38.672,7.086) 38.717,7.131 38.717,7.654 J16.A5@38.762,7.699
  Layer 2 w0.127: v1(38.3,11.1) 38.353,11.047 38.353,10.707 38.418,10.643 38.418,8.862 38.754,8.525 38.754,7.885 38.672,7.802 v1(38.672,7.086)
  Bottom Layer w0.127: U9.2@35.15,15.75 35.596,15.75 35.686,15.84 36.96,15.84 37.6,15.2 37.6,11.668 38.115,11.153 38.247,11.153 v1(38.3,11.1)
CC2: D19.4 D19.7 J16.B5 U9.1 | length 18.1
  Top Copper w0.127: v1(38.793,11.15) 38.793,11.083 39.111,10.764 D19.7@39.111,9.747 ; J16.B5@40.512,6.399 40.512,5.694 40.612,5.594 v1(40.612,4.79)
  Layer 2 w0.127: v1(38.793,11.15) 38.846,11.097 38.846,10.759 38.913,10.693 38.913,9.049 40.705,7.257 40.705,6.043 40.627,5.965 40.627,4.804 v1(40.612,4.79)
  Bottom Layer w0.127: U9.1@35.15,16.15 35.157,16.143 35.593,16.143 35.636,16.1 37.1,16.1 37.9,15.3 37.9,11.804 38.236,11.468 38.453,11.468 38.771,11.15 v1(38.793,11.15)
CD_SW1: J9.9 R5.1 | length 7.4
  Bottom Layer w0.127: J9.9@19.735,9.559 19.735,11.207 21.599,13.072 21.599,15.365 22.176,15.942 R5.1@22.176,15.992
CD_SW2: J9.10 R6.2 | length 1.7
  Bottom Layer w0.127: R6.2@18.1,13.3 18.141,13.259 J9.10@19.735,13.259 J9.10@19.742,13.266
DBG_UART_RX: J11.97 J12.6 | length 15.8
  Top Copper w0.127: J12.6@38.642,62.059 38.642,48.426 39.49,47.577 J11.97@40.46,47.577